# Altium PCB graviton.PcbDoc (part 12 of 15) (continued)
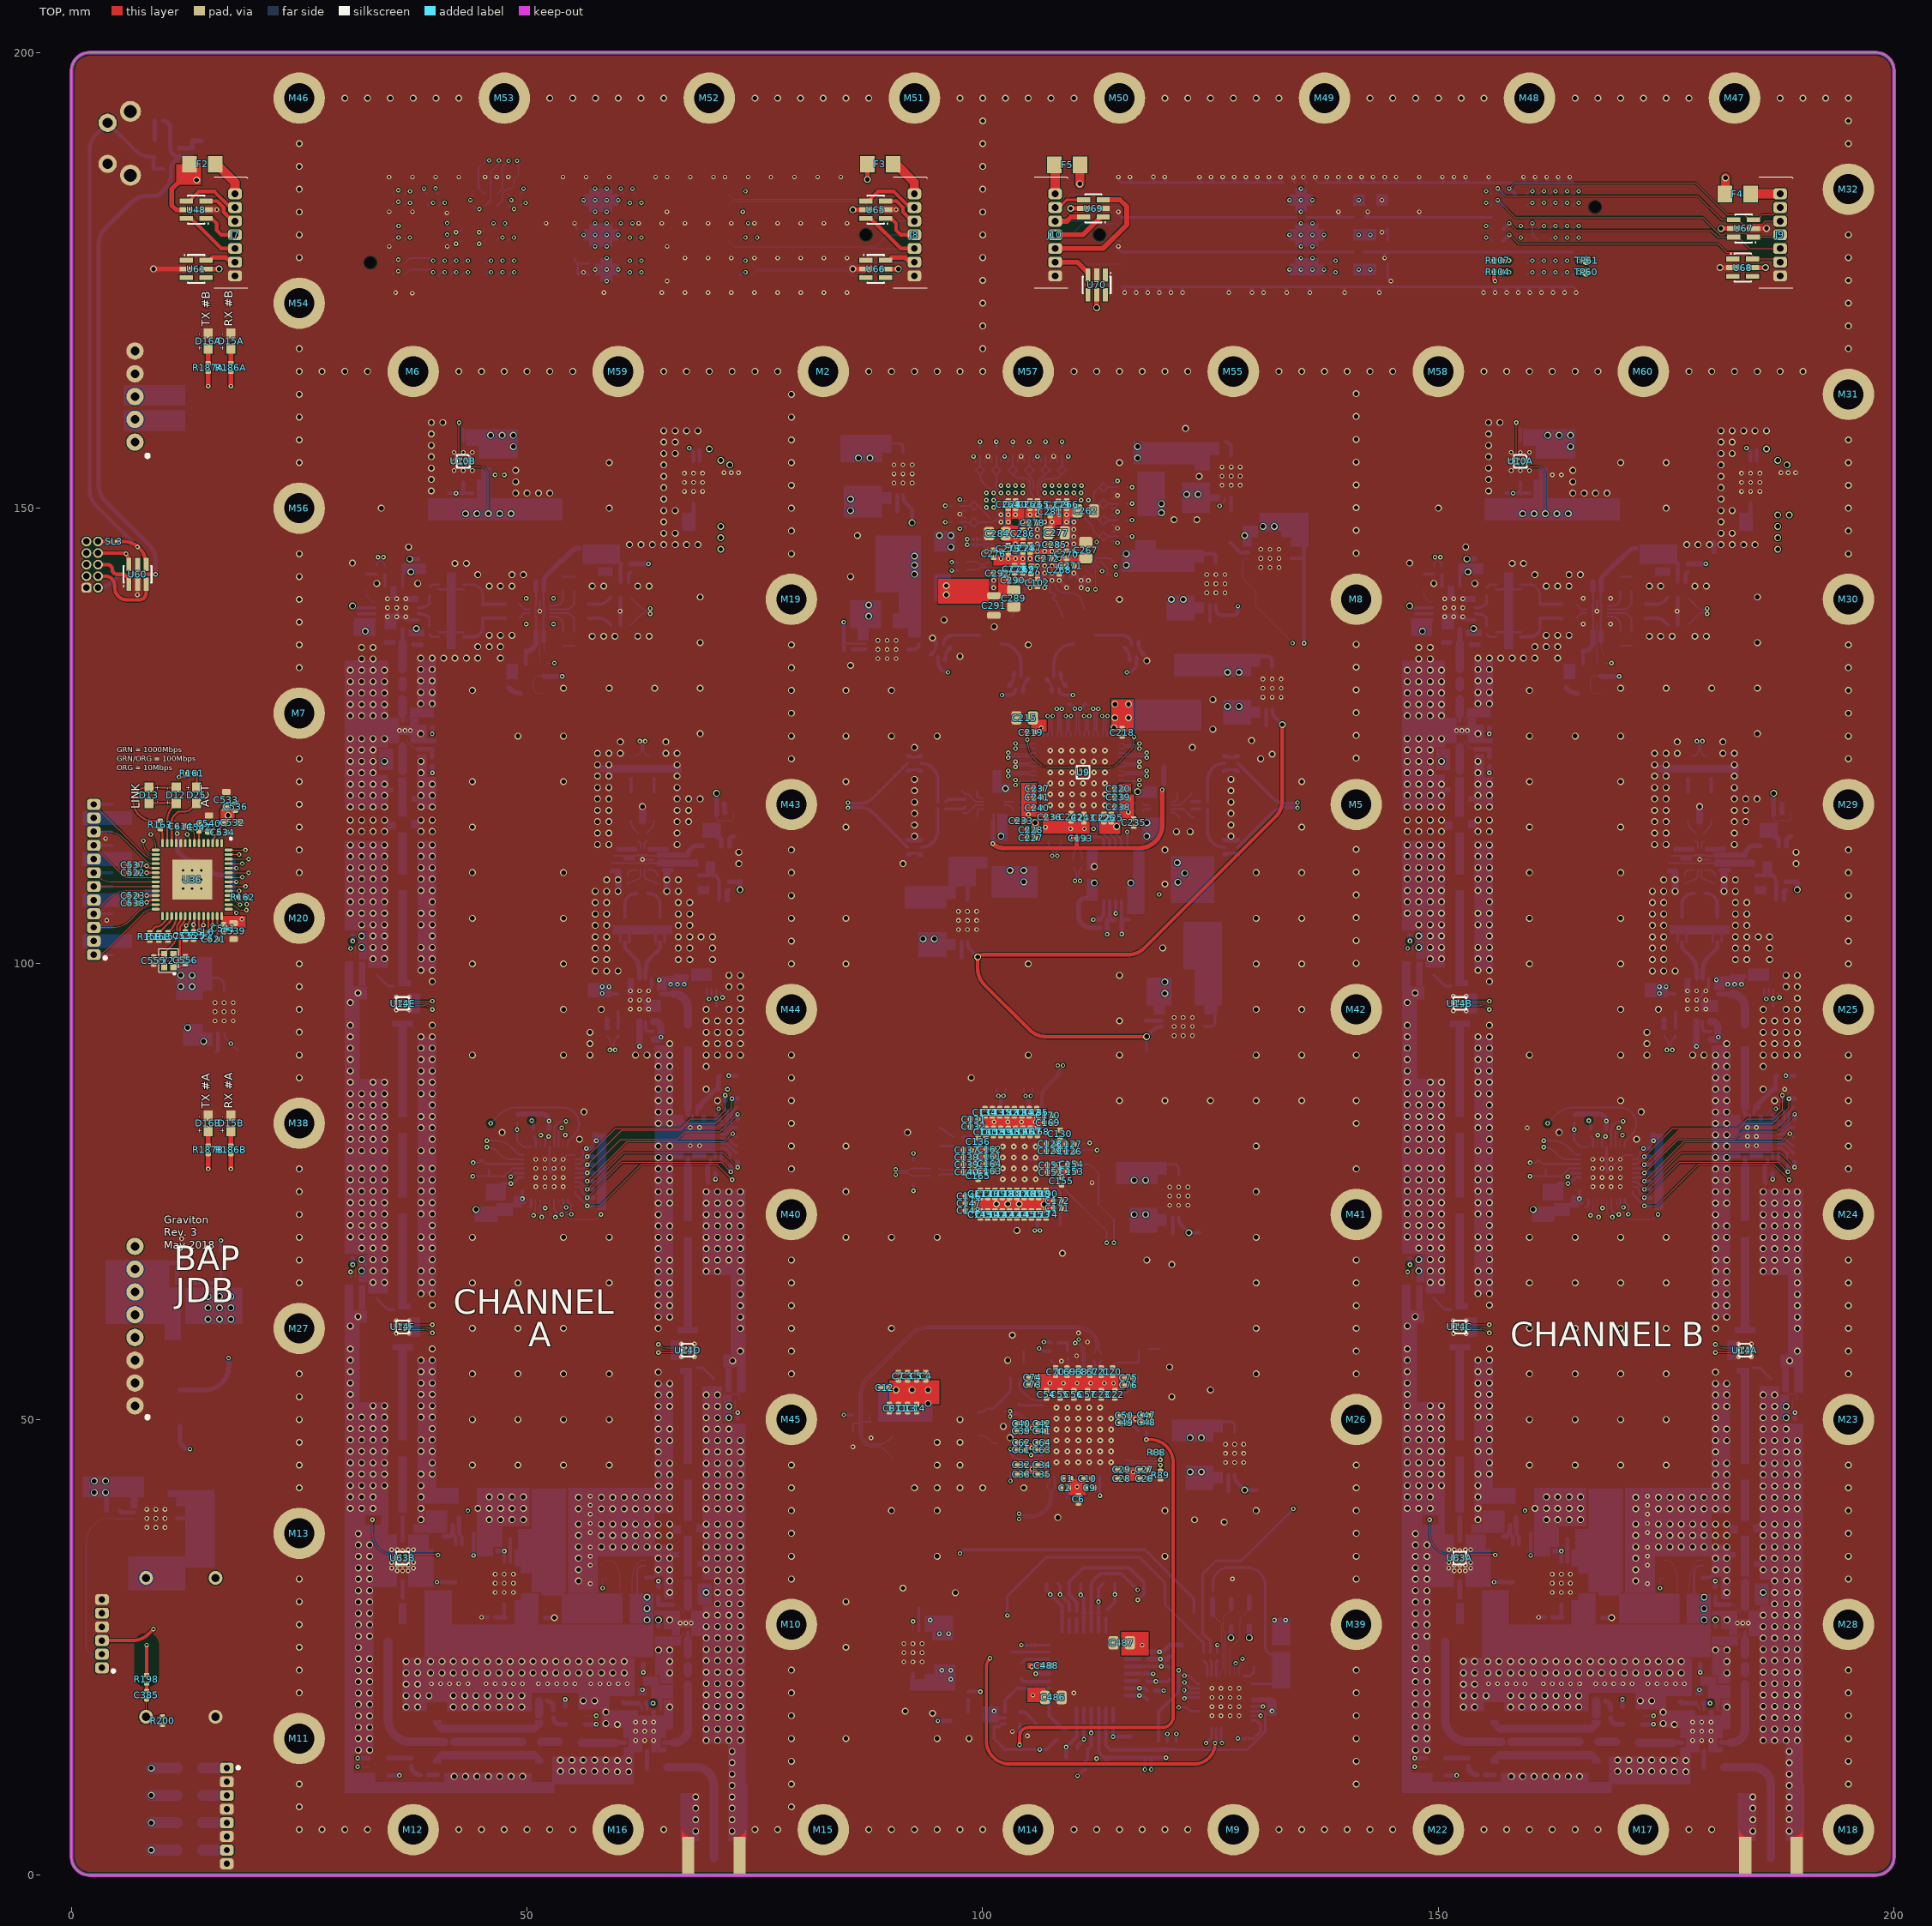
[diagram p0: TOP view]
## Nets (pads, with @x,y where several pads share a name; then routed paths per layer and width w, separated by ;. In a path a pad name is that pad's centre, name@x,y a point inside that pad or via, vN(x,y) a via of type N, cw(c..) or ccw(c..) an arc to the next point about the centre after c; other vN are vias at no path point) (continued)
  other v1: 86.372,155.501 87.622,155.501 13.75,186
  other v3: 58.73,174.92 57.46,176.19 58.73,176.19 60,176.19 58.73,177.46 57.46,178.73 58.73,178.73 56.19,180 57.46,180 58.73,180 60,180 57.46,181.27 58.73,181.27 57.46,182.54 58.73,182.54 56.19,183.81 57.46,183.81 58.73,183.81 60,183.81 57.46,185.08 58.73,185.08
V2V5IF-RXA: C98A.2 C99A.2 L1A.2 U16A.5 | length 1.4
  BOT w0.52: U16A.5@186.775,113.975 cw(c186.775,113.405) 187.345,113.405 C98A.2@187.345,112.9
V2V5IF-RXB: C98B.2 C99B.2 L1B.2 U16B.5 | length 1.4
  BOT w0.52: U16B.5@70.775,113.975 cw(c70.775,113.405) 71.345,113.405 C98B.2@71.345,112.9
V2V5IF-TXA: C320A.2 C321A.2 L25A.2 U20A.5
V2V5IF-TXB: C320B.2 C321B.2 L25B.2 U20B.5
V2V5NIF-RXA: C109A.2 C117A.2 L2A.2 R38A.2 U19A.5 | length 3.6
  BOT w0.4: U19A.5@186,109.95 cw(c186,108.88) 187.07,108.88 C109A.2@187.07,107
V2V5NIF-RXB: C109B.2 C117B.2 L2B.2 R38B.2 U19B.5 | length 3.6
  BOT w0.4: U19B.5@70,109.95 cw(c70,108.88) 71.07,108.88 C109B.2@71.07,107
V2V5NIF-TXA: C328A.2 C336A.2 L26A.2 R117A.2 U24A.5 | length 2.4
  BOT w0.4: 176,144.1 cw(c176,143.83) 176.27,143.83 C328A.2@176.27,141.9
V2V5NIF-TXB: C328B.2 C336B.2 L26B.2 R117B.2 U24B.5 | length 2.4
  BOT w0.4: 60,144.1 cw(c60,143.83) 60.27,143.83 C328B.2@60.27,141.9
V3: C19.1 C24.1 C25.1 C44.1 C45.1 C426.2 C427.2 C467.1 C486.1 C487.1 C488.1 F1.2 MB1.1 R61.2 R85.2 R171.2 R172.2 R173.2 R237.2 R239.2 U5.4 U5.5 U8.1 U8.2 U8.7 U8.8 U8.16 U38.5 U44.1 U44.3 U44.20 U50.4 U53.6 U59.1 U59.5 U59.17 U60.5 | length 305.6
  TOP w0.4: U60.5@7.25,143.825 7.25,143.5 ccw(c8,143.5) 8,142.75 v3(9.25,142.75)
  S1 w0.2: 72.093,11.715 73.165,11.715
  S1 w0.51: v3(9.25,142.75) 9.25,142.25 cw(c6.836,142.25) 8.543,140.543 6.492,138.492 ccw(c8.288,136.696) 5.748,136.696 5.748,88.752 5.75,88.75 5.75,75.552 ccw(c8.29,75.552) 6.494,73.756 8.506,71.744 cw(c6.71,69.948) 9.25,69.948 9.25,51.552 ccw(c11.79,51.552) 9.994,49.756 v3(13,46.75) 17.256,42.494 cw(c15.46,40.698) 18,40.698 18,16.302 ccw(c20.54,16.302) 18.744,14.506 23.612,9.638 ; 23.613,9.637 ccw(c24.5,10.525) 24.5,9.27 65.77,9.27 67.471,10.971 cw(c69.267,9.175) 69.267,11.715 72.093,11.715 ; 73.165,11.715 ccw(c73.165,14.249) 74.957,12.457 78.006,15.506 cw(c79.802,13.71) 79.802,16.25 82.448,16.25 ccw(c82.448,18.79) 84.244,16.994 88.006,20.756 cw(c89.802,18.96) 89.802,21.5 v2(96.5,21.5)
  BOT w0.35: R85.2@101.25,17.195 101.305,17.25 U38.5@102.45,17.25 ; U59.1@107.3,19.7 107.3,17.495 U50.4@108.135,16.66 ; v3(110.4,10.9) 111.055,11.555 R237.2@111.25,11.555
  BOT w0.4: 92.35,21.1 U44.3@92.35,22.1 ; v2(105.37,22.88) 106.58,22.88 106.6,22.9 U59.5@107.3,22.9 ; v3(105.5,19.75) 105.55,19.7 U59.1@107.3,19.7 ; U50.4@108.135,16.66 108.725,16.07 C19.1@109.25,16.07 ; U59.17@115.7,25.3 117.45,25.3 v3(117.5,25.25)
  BOT w0.48: F1.2@7.75,142.75 v3(9.25,142.75) 9.25,144.198 ccw(c6.71,144.198) 8.506,145.994 3.744,150.756 cw(c5.54,152.552) 3,152.552 3,178.948 cw(c5.54,178.948) 3.744,180.744 6.506,183.506 cw(c8.302,181.71) 8.302,184.25 9,184.25 ccw(c9,185.457) 9.853,184.603 10.25,185 ccw(c8.572,186.678) 10.945,186.678 R173.2@10.945,187.25 cw(c11.899,187.25) 11.224,187.924 U53.6@11.85,188.55 ; R171.2@10.04,192.5 cw(c10.04,191.68) 10.86,191.68 10.86,189.54 ccw(c11.85,189.54) U53.6@11.85,188.55 ; R172.2@13.25,188.61 11.91,188.61 U53.6@11.85,188.55
  BOT w0.51: MB1.1@11.9,49.25 11.9,47.85 ccw(c13,47.85) v3(13,46.75) ; 111.65,107.2 ccw(c111.625,107.2) 111.625,107.225 111.325,107.225 ccw(c111.325,106.4) 110.5,106.4 110.5,105.375 ccw(c111.92,105.375) 111.92,103.955 R61.2@112.85,103.955 ; R239.2@118.945,20.25 v3(119.85,20.25)
  other v1: 112.25,108.875 116.25,108.875
  other v2: 101.25,18 131.75,18 95.5,22.5 96.5,22.5
V3V3-ADC: C221.1 C222.1 C223.1 C390.2 C391.2 L8.1 TP18.1 U34.1 U34.3 U34.20 | length 2.6
  BOT w0.25: U34.3@124.309,93.132 124.982,93.132 ccw(c124.982,93.65) 125.5,93.65 125.5,94.65 ccw(c125.4,94.65) 125.4,94.75
V3V3-ADC-FILT: C224.1 C225.1 C226.1 C227.1 C228.1 L8.2 U21.17 U21.32 | length 2
  BOT w0.25: v1@105.8,115.6 cw(c106.404,114.996) 106.404,115.85 U21.32@106.65,115.85 ; U21.17@114.15,115.85 114.15,115.425 v1@114.6,114.975
  other v1: 121.425,108.95 122.175,109.95 121.35,111.1 114.7,115.075 105.75,115.5
V3V3-CLK: C1.2 C2.2 C3.2 C4.2 C5.2 C6.2 C7.2 C8.2 C9.2 C10.2 C11.2 C12.2 C13.2 C14.2 C20.2 C21.2 C22.2 C23.2 C26.2 C27.2 C28.2 C29.2 C32.2 C33.2 C34.2 C35.2 C39.2 C40.2 C41.2 C42.2 C47.2 C48.2 C49.2 C50.2 C54.2 C55.2 C56.2 C57.2 C61.2 C62.2 C63.2 C64.2 C67.2 C68.2 C69.2 C70.2 C73.2 C74.2 C75.2 C76.2 C406.2 C407.2 R8.2 R9.2 TP21.1 U1.10 U1.17 U1.21 U1.26 U1.33 U1.36 U1.39 U1.42 U1.45 U1.47 U1.53 U1.64 U39.1 U39.3 U39.20 Y1.6 | length 17
  BOT w0.25: v3(84.75,50.5) 85.695,50.5 cw(c85.695,50.445) R9.2@85.75,50.445 ; v2(105.4,46.9) 105.75,46.55 U1.21@106.55,46.55 ; v2(105.412,44.55) U1.17@106.55,44.55 ; v2(105.412,49.05) U1.26@106.55,49.05 ; U1.33@107.35,52.85 v2(107.35,53.988) ; U1.36@108.85,52.85 v2(108.85,53.988) ; v2(110.35,42.612) U1.10@110.35,43.75 ; U1.39@110.35,52.85 v2(110.35,53.988) ; U1.42@111.85,52.85 v2(111.85,53.988) ; U1.45@113.35,52.85 v2(113.35,53.988) ; U1.47@114.35,52.85 v2(114.35,53.988) ; U1.64@115.65,44.55 115.776,44.55 cw(c115.776,43.526) v3(116.5,44.25) ; U1.53@115.65,50.05 v2(116.788,50.05) ; 126.25,49.75 127.25,49.75 cw(c127.25,49.364) 127.636,49.364 U39.3@127.636,48.59
  other v1: 122.75,48 124,48 94,51.75 90.5,53.25 92.25,53.25 94,53.25
V3V3-DAC: C267.1 C268.1 C269.1 C270.1 C271.1 C272.1 C273.1 C274.1 C275.1 C276.1 C410.2 C411.2 L14.1 TP22.1 U2.C11 U2.D10 U2.D11 U2.E11 U2.F11 U2.G11 U2.H11 U2.J11 U2.K11 U2.L10 U40.1 U40.3 U40.20 | length 8.1
  BOT w0.4: v2(102,144.47) U2.C11@102.4,144.07 ; v2(102.8,144.47) U2.D11@103.2,144.07 ; U2.D10@103.2,144.87 U2.E11@104,144.07 ; v2(104.4,144.47) U2.F11@104.8,144.07 ; U2.G11@105.6,144.07 v2(106,144.47) U2.H11@106.4,144.07 ; U2.J11@107.2,144.07 v2(107.6,143.67) U2.K11@108,144.07 ; v2(108.4,144.47) U2.L10@108.8,144.87 ; 124,145 125.25,145 cw(c125.25,144.675) 125.575,144.675 U40.3@125.575,144.025
  other v1: 115.75,143.75 115.75,145
  other v2: 103.6,144.47
V3V3-DAC-IO_29: C262.1 C263.1 C264.1 C265.1 C266.1 L14.2 U2.D5 U2.D6 U2.G5 U2.H5 U2.L5 U2.L6 | length 3.4
  BOT w0.4: v2(102.8,148.47) U2.D6@103.2,148.07 ; v2(102.8,149.27) U2.D5@103.2,148.87 ; v2(105.2,149.27) U2.G5@105.6,148.87 ; v2(106,149.27) U2.H5@106.4,148.87 ; U2.L6@108.8,148.07 v2(109.2,148.47) ; U2.L5@108.8,148.87 v2(109.2,149.27)
  other v1: 119.6,149.5 119.6,150.5
V3V3-ETH: C422.2 C423.2 C522.2 C523.2 C525.2 C529.2 C530.2 R161.1 TP25.1 U36.20 U36.25 U36.36 U43.1 U43.3 U43.20 | length 10.3
  TOP w0.254: C523.2@7.18,107.5 v3(8.25,107.5) U36.25@9.25,107.5 ; C522.2@7.18,110 v3(8.25,110) U36.20@9.25,110 ; v3(11.8,120.5) 12.355,120.5 ccw(c12.355,120.9) R161.1@12.755,120.9 ; C525.2@13.4,103.63 v3(13.4,104.3) ccw(c13.159,104.541) 13.5,104.541 U36.36@13.5,105.25
  BOT w0.254: 15.25,98.425 cw(c15.275,98.425) 15.275,98.45 15.975,98.45 cw(c15.975,97.682) 16.743,97.682 U43.3@16.743,97.059
  BOT w0.51: C530.2@13.4,103.53 v3(13.4,104.3)
  other v1: 12,97.5 13.25,97.5 12,98.75 13.25,98.75
V3V3-SYNTH: C125.1 C126.2 C127.2 C128.2 C129.2 C130.2 C131.2 C132.2 C133.2 C134.2 C135.2 C136.2 C137.2 C138.2 C139.2 C140.2 C141.2 C142.2 C143.2 C144.2 C145.2 C146.2 C147.2 C148.2 C149.2 C150.2 C151.2 C152.2 C153.2 C154.2 C155.2 C156.2 C157.2 C158.2 C159.2 C160.2 C161.2 C162.2 C163.2 C164.2 C165.2 C166.2 C167.2 C168.2 C169.2 C170.2 C171.2 C172.2 C173.2 C174.2 C175.2 C176.2 C177.2 C178.2 C179.2 C180.2 C181.2 C182.2 C183.2 C184.2 C185.2 C186.2 C187.2 C188.2 C189.2 C190.2 C430.2 C431.2 R51.2 R52.2 TP26.1 U7.3 U7.8 U7.13 U7.18 U7.19 U7.22 U7.24 U7.30 U7.31 U7.33 U7.37 U7.40 U7.43 U7.46 U45.1 U45.3 U45.20 | length 15.3
  BOT w0.25: v2(92.4,75.1) R51.2@92.4,75.855 ; R52.2@92.4,78.445 v2(92.4,79.2) ; v1(106.75,73.623) U7.13@106.75,74.761 ; 120,78 121,78 cw(c121,77.5) 121.5,77.5 U45.3@121.5,76.825
  BOT w0.27: v2(99.477,79.396) U7.33@100.615,79.396 ; v1@101.25,73.623 U7.24@101.25,74.761 ; U7.37@101.25,81.531 v2(101.25,82.669) ; 102.25,73.623 U7.22@102.25,74.761 ; U7.40@102.75,81.531 v2(102.75,82.669) ; U7.43@104.25,81.531 v2(104.25,82.669) ; U7.46@105.75,81.531 v2(105.75,82.669) ; U7.8@107.385,77.396 v2(108.523,77.396) ; U7.3@107.385,79.896 v2(108.523,79.896)
  other v1: 101.5,73.646 102.75,73.646 104,73.646 116.622,76.251 117.872,76.251 99.5,78.146
V3V8: C388.2 C392.2 C396.2 C404.2 C408.2 C413.2 C417.2 C420.2 C424.2 C428.2 C432.2 C436.2 R68.1 R76.2 U9.B2 U34.15 U34.16 U35.15 U35.16 U37.15 U37.16 U39.15 U39.16 U40.15 U40.16 U41.15 U41.16 U41.17 U42.15 U42.16 U42.17 U43.15 U43.16 U44.13 U44.15 U44.16 U45.15 U45.16 U46.15 U46.16 U47.15 U47.16 | length 9.8
  TOP w0.1: v3(104.9,124.6) 104.9,124.352 ccw(c107.44,124.352) 105.644,122.556 106.2,122 ccw(c107.166,122.966) 107.166,121.6 110.45,121.6 cw(c110.45,121.275) U9.B2@110.775,121.275
  BOT w0.1: U44.13@92.35,26.75 v2(92.35,27.85)
  BOT w0.28: R76.2@125.75,24.445 v3(125.75,25.25)
  other v1: 122.75,44.25 124,44.25 15,61 16.25,61 17.5,61 15,62.25 16.25,62.25 17.5,62.25 15,63.5 16.25,63.5 17.5,63.5 116.622,72.501 117.872,72.501 14.5,91.5 12.75,93 119.985,96.761 119.985,98.011 93.447,102.751 94.697,102.751 126.872,128.251 128.122,128.251 87.485,138.136 87.485,139.386 120.7,140 122,140 128.75,147 85.5,149.75 85.5,151 122.379,151.516 123.629,151.516
  other v2: 95.25,26.5 96.25,26.5 94.25,28
V3V8_I_1: U5.34 U23.5 | length 212.2
  S2 w0.1: v2(16.4,69.65) 9.244,62.494 ccw(c11.04,60.698) 8.5,60.698 8.5,44.552 cw(c5.96,44.552) 7.756,42.756 6.244,41.244 ccw(c8.04,39.448) 5.5,39.448 5.5,24.052 ccw(c8.04,24.052) 6.244,22.256 14.256,14.244 ccw(c16.052,16.04) 16.052,13.5 17.948,13.5 cw(c17.948,10.96) 19.744,12.756 22.756,9.744 ccw(c24.552,11.54) 24.552,9 64,9 cw(c64,6.5) 66.5,6.5 66.5,4.29 ccw(c69.04,4.29) 69.04,1.75 128.46,1.75 ccw(c128.46,4.29) 131,4.29 131,12.6 132.3,13.9 132.3,18.7 v3(127.75,23.25)
  BOT w0.1: U5.34@127.64,21.86 127.64,23.14 v3(127.75,23.25)
  BOT w0.4: U23.5@16.4,68.475 v2(16.4,69.65)
V3V8_SNS: C38.1 P1.5 P1.6 P1.7 R68.2 U23.2 | length 1.7
  BOT w0.4: 10.425,67.175 U23.2@12.1,67.175
V5-OCXO: C384.2 C490.2 U33.1 U33.3 U33.20 Y3.14 | length 1.3
  BOT w0.4: U33.3@11.575,39.15 12.9,39.15
V5TELEM: C37.1 C52.1 R81.2 U5.1 U25.1 | length 20.4
  BOT w0.28: R81.2@125.25,31.195 125.25,32 cw(c127,32) 127,33.75 129,33.75 cw(c129,31.75) 131,31.75 131,25 ccw(c131.75,25) 131.75,24.25 132,24.25 ; U5.1@129.5,21 132.35,21 C37.1@132.85,21.5
V5V5: C43.1 C51.1 C382.2 C455A.2 C455B.2 F6.1 F7.1 F8.1 F9.1 J1.1 J1.5 P3.1 P3.2 R80.1 R139.2 U25.2 U33.15 U33.16 U49A.14 U49A.15 U49A.16 U49A.17 U49B.14 U49B.15 U49B.16 U49B.17 | length 178.9
  S2 w0.5: v1(8.75,11.75) 9.256,12.256 cw(c11.052,10.46) 11.052,13 17.698,13 cw(c17.698,10.46) 19.494,12.256 22.506,9.244 ccw(c24.302,11.04) 24.302,8.5 63.46,8.5 cw(c63.46,5.96) 66,5.96 66,3.79 ccw(c68.54,3.79) 68.54,1.25 130.71,1.25 ccw(c130.71,3.79) 133.25,3.79 v2(133.25,28) v2(132,28) 129.19,28 ccw(c129.19,26.06) v1(127.25,26.06)
  BOT w0.51: R139.2@3.85,40.045 v1@3.85,41.9 ; v1(127.25,26.06) R80.1@127.25,27.31
  BOT w1.2: v1(8.75,2.75) F6.1@11.6,2.75 ; v1(8.75,5.75) F7.1@11.6,5.75 ; v1(8.75,8.75) F8.1@11.6,8.75 ; v1(8.75,11.75) F9.1@11.6,11.75
  other v1: 2.5,42 3.75,42 2.5,43.25 3.75,43.25 48.5,156.75 164.5,156.75 46,158 47.25,158 48.5,158 162,158 163.25,158 164.5,158
V5V5_V_1: R80.2 R83.2 U5.32 | length 8.9
  BOT w0.1: U5.32@126.64,21.86 126.64,26.65 126.41,26.88 126.41,28.35 R80.2@127.25,29.19
  BOT w0.51: R80.2@127.25,29.19 R83.2@127.25,30.305
V5V5N: C58.2 C465A.2 C465B.2 P3.3 R84.2 U52A.13 U52A.15 U52A.16 U52B.13 U52B.15 U52B.16 | length 164.2
  S1 w0.1: v1(72.25,154.75) 73.05,154.75 81.1,146.7 82.9,146.7 88.1,141.5 88.1,50.8 97.5,41.4 v3(97.5,35.3)
  BOT w0.356: v3(97.5,35.3) 97.9,35.7 117.8,35.7 123.179,30.321 R84.2@123.179,28.9
  BOT w0.4: v2(67.8,156.6) 68.275,156.125 U52B.13@68.275,155.175 ; v2(183.8,156.6) 184.275,156.125 U52A.13@184.275,155.175
  other v1: 188.25,154.75 71.25,155.25 187.25,155.25 70,156.5 186,156.5
V5V5N_V_1: R81.1 R84.1 U5.31 | length 9
  BOT w0.1: R84.1@125.25,28.55 126.21,27.59 126.21,25.6 126.35,25.46 126.35,22.65 126.14,22.44 U5.31@126.14,21.86
  BOT w0.51: R84.1@125.25,28.55 R81.1@125.25,30.305
V28A: C198A.2 C207A.2 C498A.2 C499A.2 C500A.2 L17A.1 R253A.2 U62A.1 U62A.20
V28B: C198B.2 C207B.2 C498B.2 C499B.2 C500B.2 L17B.1 R253B.2 U62B.1 U62B.20
V29: P1.4 R1A.1 R1B.1 R79.1 U3A.2 U3B.2 | length 9.4
  BOT w0.2: 62.1,30.575 cw(c62.1,30.6) 62.075,30.6 62.075,33.325 cw(c62.7,33.325) 62.7,33.95 U3B.2@63.025,33.95 ; 178.1,30.575 cw(c178.1,30.6) 178.075,30.6 178.075,33.325 cw(c178.7,33.325) 178.7,33.95 U3A.2@179.025,33.95
  BOT w0.6: v1(129.25,26.06) R79.1@129.25,27.31
  other v1: 63.16,28 179.16,28 63.16,29.25 179.16,29.25 63.16,30.5 179.16,30.5
V29_V_1: R79.2 R82.2 U5.33 | length 9.6
  BOT w0.1: U5.33@127.14,21.86 127.14,24.89 128.25,26 128.25,28.19 R79.2@129.25,29.19
  BOT w0.51: R79.2@129.25,29.19 R82.2@129.25,30.56
V48: J6.225 J6.226 J6.228 J6.229 J6.232 J6.233 J6.235 J6.236 J6.238 J6.239 J6.242 J6.243 J6.245 J6.246 J6.248 J6.249 P1.8
  other v3: 133.65,176.19 134.92,176.19 136.19,176.19 137.46,176.19 134.92,177.46 136.19,177.46 134.92,178.73 136.19,178.73 133.65,180 134.92,180 136.19,180 137.46,180 134.92,181.27 136.19,181.27 134.92,182.54 133.65,183.81 134.92,183.81 136.19,183.81 134.92,185.08
VCCA: C90A.2 C91A.2 C92A.2 C93A.2 C100A.2 C212A.1 C244A.1 C322A.2 C348A.1 C348B.1 C349A.1 C349B.1 C454A.1 C457A.2 C458A.2 C477A.1 C478A.1 L20A.1 L27A.2 L27B.2 L31A.1 L46A.1 R15A.2 R124A.2 R124B.2 R125A.1 R125B.1 R152A.2 TP29A.1 U6A.1 U6A.9 U6A.10 U10A.B2 U11A.2 U12A.1 U12A.3 U12A.4 U12B.1 U12B.3 U12B.4 U12C.1 U12C.3 U12C.4 U14A.B2 U14B.B2 U14C.B2 U15A.23 U16A.1 U16A.3 U18A.1 U18A.3 U18A.4 U20A.1 U20A.3 U49A.1 U49A.19 U49A.20 U54A.1 U56A.8 U57A.3 U57A.6 U58A.3 U58A.6 U63A.B2 | length 58.5
  TOP w0.095: U14C.B2@152.6,60.402 v2(155.6,60.402) v2@155.65,60.402 ; U14B.B2@152.6,95.902 v2(155.6,95.902) v2@155.65,95.902 ; v2@180.35,57.348 v2(180.4,57.348) U14A.B2@183.4,57.348
  TOP w0.1: v2(149.03,39) 149.03,37.453 ccw(c151.258,37.453) 151.258,35.225 151.673,35.225 cw(c151.673,34.628) U63A.B2@152.095,35.05 ; U10A.B2@158.75,154.9 ccw(c159.116,154.9) 159.116,154.534 160.866,154.534 cw(c160.866,153.65) 161.75,153.65 v1(161.75,149.4)
  S1 w0.75: v1(180.41,28) 182.694,30.284 cw(c184.49,28.488) 184.49,31.028 v1(185.65,31.028)
  BOT w0.095: v3@146.625,66.093 146.625,65.595 U12C.1@146.675,65.545 ; v3@146.625,101.593 146.625,101.095 U12B.1@146.675,101.045 ; U12A.3@188.325,52.285 188.325,52.44 cw(c188.735,52.44) 188.445,52.73 cw(c188.542,52.633) 188.542,52.77 189.161,52.77 cw(c189.161,52.606) 189.325,52.606 cw(c189.12,52.595) 189.325,52.595 U12A.1@189.325,52.205 U12A.1@189.375,52.155
  BOT w0.1: C212A.1@157.1,32.17 C212A.1@157.145,32.125 ; U20A.3@167.85,129.695 167.195,129.695 cw(c167.195,130.19) 166.7,130.19 166.7,131.1 cw(c167.195,131.1) 167.195,131.595 U20A.1@167.85,131.595 ; U15A.23@186.15,83.45 186.15,83.65 186.6,84.1 v3(187.025,84.1) ; U16A.1@186.775,116.575 186.775,115.975 ccw(c187,115.975) 187,115.75 188.5,115.75 ccw(c188.5,115.925) 188.675,115.925 U16A.3@188.675,116.575
  BOT w0.22: U18A.4@185.75,97.24 185.75,96.688 ccw(c186.518,96.688) v2(185.975,96.145) ccw(c185.311,96.809) 186.25,96.809 U18A.3@186.25,97.24 ; 187.25,96.778 ccw(c187.933,96.778) v2(187.45,96.295)
  BOT w0.28: v2(165.475,74.225) 165.475,74.975 165.4,75.05 U54A.1@165.6,75.05
  BOT w0.4: v3(156.1,32.16) 156.11,32.17 C212A.1@157.1,32.17 ; C212A.1@157.145,32.125 U56A.8@158.175,32.125 ; U57A.3@170.2,18.475 U57A.3@170.225,18.45
  BOT w0.483: v2(147.4,12.845) U58A.6@148.625,12.845 ; U58A.3@150.775,10.945 v2(152,10.945) ; U57A.3@170.2,18.475 v2(170.2,19.3) ; U57A.6@172.375,16.55 v2(173.6,16.55)
  BOT w0.5: v2(155.59,125.25) R125B.1@155.59,125.95 ; R125A.1@180.41,27.3 v1(180.41,28)
  BOT w0.51: v1(153.13,144.43) L31A.1@154,144.43 L31A.1@154.005,144.425 ; v2(186.68,76.375) L20A.1@186.68,77 ; C100A.2@186.795,117.575 v1(186.795,118.705)
  BOT w0.52: U16A.1@186.795,116.335 C100A.2@186.795,117.287
  BOT w0.54: U20A.1@167.85,131.595 ccw(c167.895,131.595) 167.895,131.55 C322A.2@169,131.55 v2(169.85,131.55)
  other v1: 188.15,50.2 188.15,51.45 147.85,66.3 147.85,67.55 160.4,73.05 147.85,101.8 147.85,103.05 118,114 118,115.5 117,118.9 150.35,122.222 159.25,149.4 160.5,149.4 163,149.4 164.25,149.4
  other v2: 178.65,20.35
  other v3: 146.625,66.2 146.625,101.7
VCCB: C90B.2 C91B.2 C92B.2 C93B.2 C100B.2 C212B.1 C244B.1 C322B.2 C348C.1 C348D.1 C349C.1 C349D.1 C454B.1 C457B.2 C458B.2 C477B.1 C478B.1 L20B.1 L27C.2 L27D.2 L31B.1 L46B.1 R15B.2 R124C.2 R124D.2 R125C.1 R125D.1 R152B.2 TP29B.1 U6B.1 U6B.9 U6B.10 U10B.B2 U11B.2 U12D.1 U12D.3 U12D.4 U12E.1 U12E.3 U12E.4 U12F.1 U12F.3 U12F.4 U14D.B2 U14E.B2 U14F.B2 U15B.23 U16B.1 U16B.3 U18B.1 U18B.3 U18B.4 U20B.1 U20B.3 U49B.1 U49B.19 U49B.20 U54B.1 U56B.8 U57B.3 U57B.6 U58B.3 U58B.6 U63B.B2 | length 58.3
  TOP w0.095: U14F.B2@36.6,60.402 v2(39.6,60.402) v2@39.65,60.402 ; U14E.B2@36.6,95.902 v2(39.6,95.902) v2@39.65,95.902 ; v2@64.35,57.348 v2(64.4,57.348) U14D.B2@67.4,57.348
  TOP w0.1: v2(33.03,39) 33.03,37.453 ccw(c35.258,37.453) 35.258,35.225 35.673,35.225 cw(c35.673,34.628) U63B.B2@36.095,35.05 ; U10B.B2@42.75,154.9 ccw(c43.116,154.9) 43.116,154.534 44.866,154.534 cw(c44.866,153.65) 45.75,153.65 v1(45.75,149.4)
  S1 w0.6: v1(64.41,28) 66.694,30.284 cw(c68.49,28.488) 68.49,31.028 v1(69.65,31.028)
  BOT w0.095: v3@30.625,66.093 30.625,65.595 U12F.1@30.675,65.545 ; v3@30.625,101.593 30.625,101.095 U12E.1@30.675,101.045 ; U12D.3@72.325,52.285 72.325,52.44 cw(c72.735,52.44) 72.445,52.73 cw(c72.542,52.633) 72.542,52.77 73.161,52.77 cw(c73.161,52.606) 73.325,52.606 cw(c73.12,52.595) 73.325,52.595 U12D.1@73.325,52.205 U12D.1@73.375,52.155
  BOT w0.1: C212B.1@41.1,32.17 C212B.1@41.145,32.125 ; U20B.3@51.85,129.695 51.195,129.695 cw(c51.195,130.19) 50.7,130.19 50.7,131.1 cw(c51.195,131.1) 51.195,131.595 U20B.1@51.85,131.595 ; U15B.23@70.15,83.65 70.6,84.1 v3(71.025,84.1) ; U16B.1@70.775,116.575 70.775,115.975 ccw(c71,115.975) 71,115.75 72.5,115.75 ccw(c72.5,115.925) 72.675,115.925 U16B.3@72.675,116.575
  BOT w0.22: U18B.4@69.75,97.24 69.75,96.688 ccw(c70.518,96.688) v2(69.975,96.145) ccw(c69.311,96.809) 70.25,96.809 U18B.3@70.25,97.24 ; 71.25,96.778 ccw(c71.933,96.778) v2(71.45,96.295)
  BOT w0.28: v2(49.475,74.225) 49.475,74.975 49.4,75.05 U54B.1@49.6,75.05
  BOT w0.4: v3(40.1,32.16) 40.11,32.17 C212B.1@41.1,32.17 ; C212B.1@41.145,32.125 U56B.8@42.175,32.125 ; U57B.3@54.2,18.475 U57B.3@54.225,18.45
  BOT w0.483: v2(31.4,12.845) U58B.6@32.625,12.845 ; U58B.3@34.775,10.945 v2(36,10.945) ; U57B.3@54.2,18.475 v2(54.2,19.3) ; U57B.6@56.375,16.55 v2(57.6,16.55)
  BOT w0.5: v2(39.59,125.25) R125D.1@39.59,125.95 ; R125C.1@64.41,27.3 v1(64.41,28)
  BOT w0.51: v1(37.13,144.43) L31B.1@38,144.43 L31B.1@38.005,144.425 ; v2(70.68,76.375) L20B.1@70.68,77 ; C100B.2@70.795,117.575 v1(70.795,118.705)
  BOT w0.52: U16B.1@70.795,116.335 C100B.2@70.795,117.287
  BOT w0.54: U20B.1@51.85,131.595 ccw(c51.895,131.595) 51.895,131.55 C322B.2@53,131.55 v2(53.85,131.55)
  other v1: 72.15,50.2 72.15,51.45 31.85,66.3 31.85,67.55 44.4,73.05 31.85,101.8 31.85,103.05 102,114 102.5,119.25 34.35,122.222 43.25,149.4 44.5,149.4 47,149.4 48.25,149.4
  other v2: 62.65,20.35
  other v3: 30.625,66.2 30.625,101.7
VCXO-CTRL_34: C83.1 R15.2 Y1.1 | length 5.5
  BOT w0.25: Y1.1@99.6,50.79 ccw(c99.6,51.852) Y1.1@100.351,51.101 ; Y1.1@100.6,51.2 101.2,51.2 102.74,52.74 ccw(c101.981,53.5) R15.2@103.055,53.5 103.055,54.437 ccw(c102.867,54.437) C83.1@103,54.57
VDDA: C245A.1 C474A.1 C475A.1 C476A.1 R37A.1 R92A.1 R175A.1 R176A.2 R177A.1 R178A.1 R179A.1 R180A.1 R181A.1 R182A.1 R183A.1 U11A.1 U54A.4 U54A.5 | length 16.2
  BOT w0.2: v2(173.6,80.6) 173.929,80.271 cw(c173.409,79.75) R37A.1@174.145,79.75 R177A.1@174.145,78.85 R178A.1@174.145,77.95 R179A.1@174.145,77.05 R180A.1@174.145,76.15 R181A.1@174.145,75.25 R182A.1@174.145,74.35 R183A.1@174.145,73.45
  BOT w0.28: R176A.2@163.4,75.705 163.595,75.9 v2(164.225,75.9) 164.45,75.9 165.1,76.55 U54A.4@165.6,76.55 ; v2(164.2,76.65) 164.257,76.65 164.657,77.05 U54A.5@165.6,77.05
  BOT w0.51: R92A.1@165,83.445 cw(c165.055,83.445) 165.055,83.5 167.67,83.5 cw(c167.67,82.75) v2(168.42,82.75) R175A.1@168.42,81.9
VDDB: C245B.1 C474B.1 C475B.1 C476B.1 R37B.1 R92B.1 R175B.1 R176B.2 R177B.1 R178B.1 R179B.1 R180B.1 R181B.1 R182B.1 R183B.1 U11B.1 U54B.4 U54B.5 | length 16.2
  BOT w0.2: v2(57.6,80.6) 57.929,80.271 cw(c57.409,79.75) R37B.1@58.145,79.75 R177B.1@58.145,78.85 R178B.1@58.145,77.95 R179B.1@58.145,77.05 R180B.1@58.145,76.15 R181B.1@58.145,75.25 R182B.1@58.145,74.35 R183B.1@58.145,73.45
  BOT w0.28: R176B.2@47.4,75.705 47.595,75.9 v2(48.225,75.9) 48.45,75.9 49.1,76.55 U54B.4@49.6,76.55 ; v2(48.2,76.65) 48.257,76.65 48.657,77.05 U54B.5@49.6,77.05
  BOT w0.51: R92B.1@49,83.445 cw(c49.055,83.445) 49.055,83.5 51.67,83.5 cw(c51.67,82.75) v2(52.42,82.75) R175B.1@52.42,81.9
VGSETA: R175A.2 R189A.2 U54A.12 | length 52.1
  S1 w0.1: v3@159.375,40.085 159.375,69.758 cw(c160.925,69.758) 159.829,70.854 cw(c161.625,69.058) 161.625,71.598 167.627,71.598 ccw(c167.627,72.373) 168.175,71.825 ccw(c167.865,72.135) 168.304,72.135 168.304,72.467 cw(c168.829,72.467) 168.457,72.839 ccw(c167.751,73.545) 168.75,73.545 ccw(c167.772,73.545) 168.464,74.236 167.783,74.917 cw(c168.466,75.6) 167.5,75.6 v2(167.5,81.2)
  BOT w0.1: R189A.2@159.445,39.3 159.5,39.355 v3(159.5,40) ; U54A.12@167.46,79.91 R175A.2@167.46,81.8
VGSETB: R175B.2 R189B.2 U54B.12 | length 52.5
  S1 w0.1: v3@43.444,40.056 cw(c45.24,41.852) 42.7,41.852 42.7,42.03 cw(c43.895,42.03) 43.05,42.875 ccw(c42.265,43.66) 43.375,43.66 43.375,69.758 cw(c44.925,69.758) 43.829,70.854 cw(c45.625,69.058) 45.625,71.598 51.627,71.598 ccw(c51.627,72.373) 52.175,71.825 ccw(c51.865,72.135) 52.304,72.135 52.304,72.467 cw(c52.829,72.467) 52.457,72.839 ccw(c51.751,73.545) 52.75,73.545 ccw(c51.772,73.545) 52.464,74.236 51.783,74.917 cw(c52.466,75.6) 51.5,75.6 v2(51.5,81.2)
  BOT w0.1: R189B.2@43.445,39.3 43.5,39.355 v3(43.5,40) ; U54B.12@51.46,79.91 R175B.2@51.46,81.8
VREF-CM-ADC: C94.1 C95.1 C96.2 C97.2 C193.1 C204.2 C205.2 U6A.2 U6B.2 U21.27 | length 34.6
  TOP w0.51: v3(101.1,113.2) ccw(c102.307,114.407) 102.307,112.7 110.3,112.7 ; v3(109.575,113.88) ccw(c109.889,114.194) 109.889,113.75 C193.1@110.32,113.75 ccw(c110.32,113.73) 110.3,113.73 110.3,112.7 ; v3(119.7,119.1) 119.7,115.24 cw(c117.16,115.24) 117.16,112.7 110.3,112.7
  BOT w0.2: C204.2@101.13,115.6 ccw(c101.13,115.67) 101.2,115.67 U6B.2@101.2,116.45 ; U6A.2@119.5,118.35 119.5,118.617 cw(c120.183,118.617) v3(119.7,119.1) ccw(c119.29,119.51) 119.87,119.51 C96.2@119.87,119.8
  BOT w0.25: U21.27@109.15,115.85 109.15,114.906 ccw(c110.601,114.906) v3(109.575,113.88)
  BOT w0.51: v3(101.1,113.2) ccw(c101.028,113.272) 101.13,113.272 C94.1@101.13,114 C205.2@101.13,114.8 C204.2@101.13,115.6 ; C96.2@119.87,119.8 C97.2@119.87,120.7 C95.1@119.87,121.6
VSSA: C192A.2 C213A.1 C337A.2 C464A.1 C466A.2 R67A.2 R169A.2 R256A.2 TP68A.1 U19A.2 U24A.2 U52A.1 U52A.20 U56A.4 | length 8.4
  BOT w0.4: v3(160.125,35.085) U56A.4@160.125,36.275 C213A.1@160.125,37.495
  BOT w0.5: v2(188.125,87.725) R67A.2@189.04,87.725
  BOT w0.508: v2(178.75,22.25) R256A.2@178.75,23.19
  BOT w0.51: U19A.2@188.15,109 189.33,109 ccw(c189.33,109.045) C192A.2@189.375,109.045 v1(189.375,108.125)
  BOT w0.54: U24A.2@177.375,143.9 v2(179.33,143.9)
  other v1: 187.25,145.5 187.25,146.75 187.25,148 187.25,149.25 188.5,149.25
VSSB: C192B.2 C213B.1 C337B.2 C464B.1 C466B.2 R67B.2 R169B.2 R256B.2 TP68B.1 U19B.2 U24B.2 U52B.1 U52B.20 U56B.4 | length 8.4
  BOT w0.4: v3(44.125,35.085) C213B.1@44.125,37.495
  BOT w0.5: v2(72.125,87.725) R67B.2@73.04,87.725
  BOT w0.508: v2(62.75,22.25) R256B.2@62.75,23.19
  BOT w0.51: U19B.2@72.15,109 73.33,109 ccw(c73.33,109.045) C192B.2@73.375,109.045 v1(73.375,108.125)
  BOT w0.54: U24B.2@61.375,143.9 v2(63.33,143.9)
  other v1: 71.25,145.5 71.25,146.75 71.25,148
VXO_34_N: C60.1 R8.1 R11.2 Y1.5 | length 41.6
  BOT w0.159: R8.1@87.61,50.5 87.61,49.835 R11.2@87.695,49.75 ; R11.2@87.75,49.695 R11.2@87.695,49.75 ; R11.2@87.75,49.75 R11.2@87.695,49.75 ; Y1.5@90.202,48.25 89.661,47.71 cw(c88.552,48.819) 88.552,47.25 87.854,47.25 cw(c87.854,48.104) 87.25,47.5 87.104,47.646 cw(c87.957,48.5) 86.75,48.5 86.75,49.75 ; C60.1@112.125,57.28 C60.1@112.204,57.359 ; C60.1@112.205,57.36 ccw(c111.609,57.955) 112.451,57.955 112.451,58.161 ccw(c110.911,58.161) 112,59.25 ccw(c110.189,57.439) 110.189,60 94.052,60 ccw(c94.052,57.46) 92.256,59.256 87.494,54.494 ccw(c89.29,52.698) 86.75,52.698 86.75,49.75 ; 86.75,49.75 R11.2@87.695,49.75
VXO_34_P: C53.2 R9.1 R12.2 Y1.4 | length 42.8
  BOT w0.159: R12.2@85.75,48.695 R9.1@85.75,49.555 86.447,49.555 cw(c86.447,49.5) 86.502,49.5 ; Y1.4@90.202,45.71 89.162,46.749 ccw(c88.552,46.139) 88.552,47.002 87.854,47.002 cw(c87.854,48.104) 87.075,47.325 86.928,47.471 cw(c87.957,48.5) 86.502,48.5 86.502,49.5 ; C53.2@113.025,57.28 112.946,57.359 cw(c113.541,57.955) 112.699,57.955 112.699,58.161 ccw(c110.911,58.161) 112.175,59.425 112.097,59.504 ccw(c110.3,57.708) 110.3,60.248 94.052,60.248 ccw(c94.052,57.46) 92.081,59.431 87.319,54.669 ccw(c89.29,52.698) 86.502,52.698 86.502,49.5
VXO_T_34_N: C60.2 U1.43 | length 3.7
  BOT w0.25: C60.2@112.125,56.42 112.35,56.195 U1.43@112.35,52.85
VXO_T_34_P: C53.1 U1.44 | length 3.6
  BOT w0.25: U1.44@112.85,52.85 112.85,56.245 C53.1@113.025,56.42
XTAL-IN_32: C556.2 U36.34 Y2.1 | length 6.8
  TOP w0.2: Y2.1@11.181,99.688 11.741,99.688 ccw(c11.741,100.524) 12.332,99.933 12.1,100.165 cw(c12.583,100.648) 11.9,100.648 11.9,103.801 cw(c12.621,103.801) 12.111,104.311 ccw(c11.172,105.25) U36.34@12.5,105.25
XTAL-OUT_32: C555.2 U36.33 Y2.3 | length 6
  TOP w0.2: C555.2@9.03,100.793 cw(c9.621,100.202) 9.621,101.038 Y2.3@10.181,101.038 cw(c10.526,101.038) 10.282,101.282 11.1,102.1 ccw(c9.893,103.307) 11.6,103.307 11.6,104.017 cw(c12.283,104.017) 11.8,104.5 ccw(c11.317,104.983) 12,104.983 U36.33@12,105.25